# Altium PCB BaseBoard.PcbDoc (part 1 of 2) (continued)
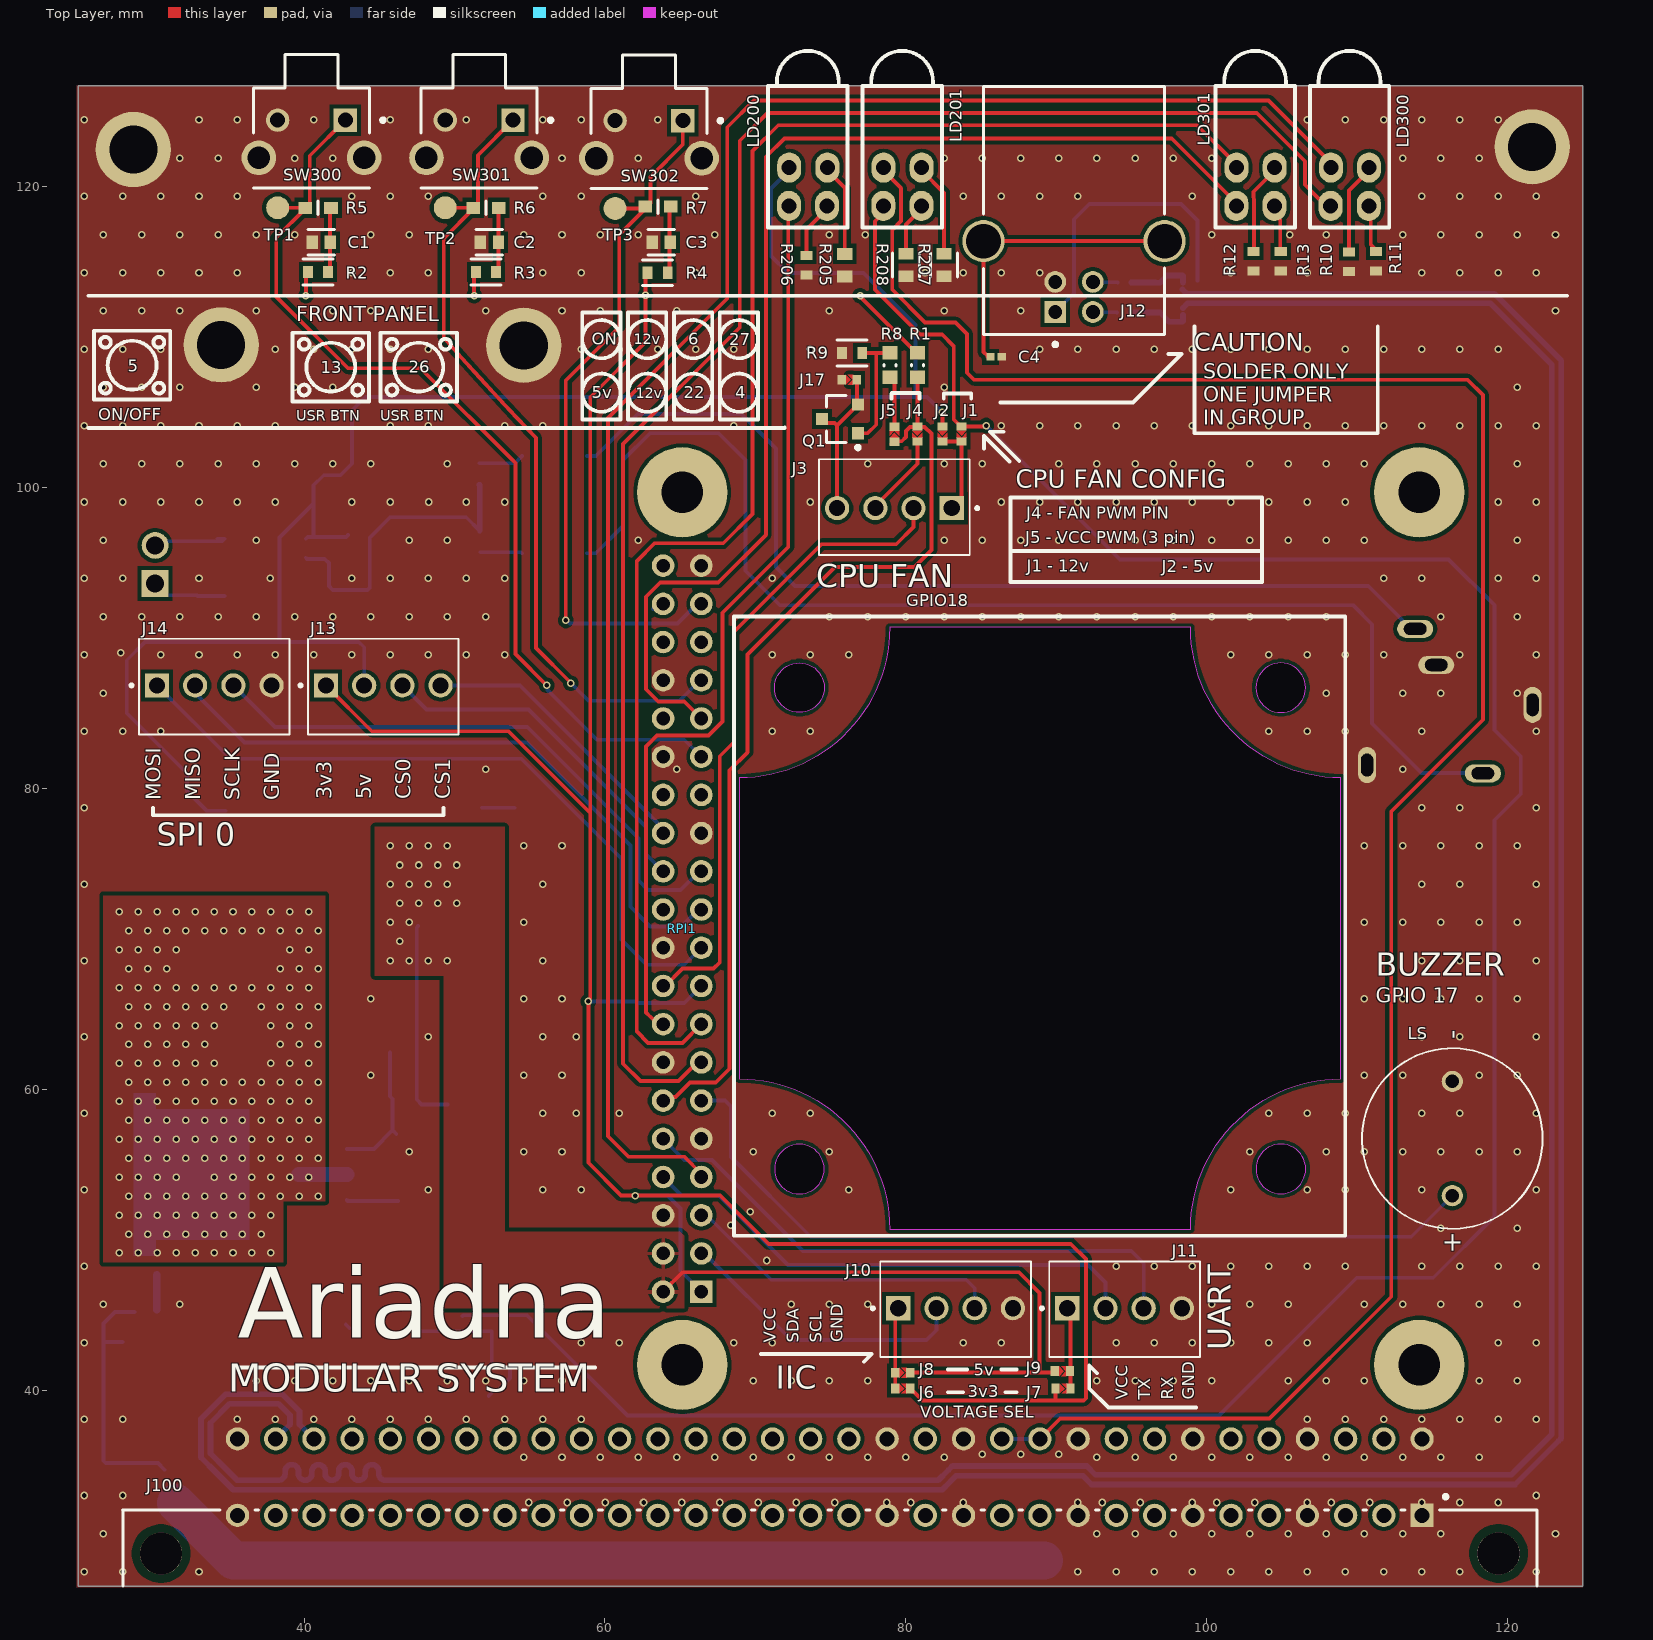
[diagram p0: Top Layer view]
## Footprints (in the part's own frame and the unit in brackets; to place one, negate y for a bottom-side part, rotate by r counter-clockwise, add the part's x,y. Pads: shape width x height; smd on the part's side, far side on the other; paste and mask are expansions set on the pad) (continued)
JUMPER [mm]
  rect 0.65x0.55 smd paste-2.54 mask-2.54: 1(0,-0.45) 2(0,0.55)
  Top Layer region: -0.325,-0.041 0,0.284 0.325,-0.041 0.325,0.318 -0.325,0.317
  Top Layer region: -0.325,-0.175 0.003,0.152 0.325,-0.175
LED_HOLDER [mm]
  oval 1.6x2 hole 1: 1(-1.219,-0.217) 2(1.317,-0.217) 3(-1.236,-2.757) 4(1.3,-2.757)
  silkscreen extent -2.62,-4.2 2.66,7.55, body extent -2.12,-3.07 2.2,7.66, height 9.65
MOLEX_22232041 [mm]
  rect 1.605x1.605 / inner round 1.605 / far side rect 1.605x1.605 hole 1.07 mask+0.05: 1(-3.81,0)
  round 1.605 hole 1.07 mask+0.05: 2(-1.27,0) 3(1.27,0) 4(3.81,0)
  silkscreen extent -5.6,-3.25 5,3.1
MOLEX_0022272021 [mm]
  rect 1.785x1.785 / inner round 1.785 / far side rect 1.785x1.785 hole 1.19: 1(1.27,0)
  round 1.785 hole 1.19: 2(-1.27,0)
  silkscreen extent -2.54,-2.9 3.35,2.9
NXP-SOT457_L [mm] "SOP, 6-Leads, Body 3.1x1.7mm, Pitch 0.95mm, IPC High Density"
  oval 1x0.45 smd: 1(-1.304,0.952) 2(-1.253,-0.013) 5(1.211,0.012) 6(1.211,0.952)
  oval 1.35x0.45 smd: 3(-1.075,-0.95) 4(1.075,-0.95)
  silkscreen extent -1.2,1.6 -0.95,1.85, body extent -0.85,-1.55 0.85,1.55, height 1.1
PNSC-EEE-FK1V331P_L [mm] "CAPAE, 2-Leads, Body 10.5x10.5mm, IPC High Density"
  rect 3.95x1.9 smd: 1(-4.5,0) 2(4.5,0)
  silkscreen extent -5.25,-5.25 5.25,5.25, body extent -6,-5.25 6,5.25, height 10.5
RESC0603(1608)_N [mm] "Chip Resistor, Body 1.6x0.8mm, IPC Medium Density"
  rect 0.9x1 smd: 1(-0.8,0) 2(0.8,0)
  silkscreen extent -0.05,-0.4 0.05,0.4, body extent -0.85,-0.47 0.85,0.47, height 0.6
RESC1005X40X25NL05T05 [mm] "Chip Resistor, 2-Leads, Body 1.00x0.50mm, IPC Medium Density"
  rect 0.55x0.55 smd: 1(-0.45,0) 2(0.45,0)
  body extent -0.53,-0.27 0.53,0.28, height 0.4
RESC1608X55X25LL10T15 [mm] "Chip Resistor, 2-Leads, Body 1.70x0.90mm, IPC High Density"
  rect 0.6x0.8 smd: 1(-0.65,0) 2(0.65,0)
  body extent -0.85,-0.45 0.85,0.45, height 0.55
RESC1608X55X25ML10T15 [mm] "Chip Resistor, 2-Leads, Body 1.70x0.90mm, IPC Low Density"
  rect 0.8x1 smd: 1(-0.75,0) 2(0.75,0)
  body extent -0.85,-0.45 0.85,0.45, height 0.55
RPI [mm]
  rect 1.5x1.5 hole 0.9: 1(24.13,1.27)
  round 1.5 hole 0.9: 2(24.13,-1.27) 3(21.59,1.27) 4(21.59,-1.27) 5(19.05,1.27) 6(19.05,-1.27) 7(16.51,1.27) 8(16.51,-1.27) 9(13.97,1.27) 10(13.97,-1.27) 11(11.43,1.27) 12(11.43,-1.27) 13(8.89,1.27) 14(8.89,-1.27) 15(6.35,1.27) 16(6.35,-1.27) 17(3.81,1.27) 18(3.81,-1.27) 19(1.27,1.27) 20(1.27,-1.27) 21(-1.27,1.27) 22(-1.27,-1.27) 23(-3.81,1.27) 24(-3.81,-1.27) 25(-6.35,1.27) 26(-6.35,-1.27) 27(-8.89,1.27) 28(-8.89,-1.27) 29(-11.43,1.27) 30(-11.43,-1.27) 31(-13.97,1.27) 32(-13.97,-1.27) 33(-16.51,1.27) 34(-16.51,-1.27) 35(-19.05,1.27) 36(-19.05,-1.27) 37(-21.59,1.27) 38(-21.59,-1.27) 39(-24.13,1.27) 40(-24.13,-1.27)
  body extent -25.52,-2.63 25.53,2.38, height 8.5
TestPoint [mil]
  round 60 smd: 1(0,0)

## Part data
C1 C2 C3 C8 C200 C204 C205: library part CMP-2006-03061-2, "CAP CER 0.1UF 50V X7R 0603", Capacitance="0.10 μF", Manufacturer=KEMET, Manufacturer Part Number=C0603C104K5RACTU, Package=C0603C-CF, Temperature="-55°C to +125°C", Temperature Characteristic=X7R, Temperature Coefficient=30ppm/°C, Temperature Range High=+125°C, Temperature Range Low=-55°C, Tolerance=0.1, Voltage Rating="50 V", Automotive=Yes, Automotive Grade="Grade 1", Category=Cap, ComponentLink2Description=Datasheet, ComponentLink2URL=https://api.kemet.com/component-edge/download/datasheet/C0603C100J5GACAUTO.pdf, Device Class L1="Passive Components", Device Class L2=Capacitors, Device Class L3="Ceramic Capacitors", Digikey Description="CAP CER 0.1UF 50V X7R 0603", Height=0.87mm, Lead Free=Yes, Material=Ceramic, Octopart=https://octopart.com/c0603c104k5ractu-kemet-139244, RoHS=TRUE
C4: library part CMP-001-00011-6, "Chip Capacitor, 10 pF, +/- 0.25 pF, 50 V, 0402 (1005 Metric)", Capacitor Type=Ceramic, Case/Package=0402, Max Operating Temperature=125°C, Min Operating Temperature=-55°C, Tolerance=0.25%, Voltage Rating=50V, Mounting Technology=SM, Pins=2, RoHS Compliant=True
C5 C6 C7: library part CMP-05427-000087-1, "CAP ALUM 10UF 20% 35V SMD", Case/Package=Radial, Leakage Current=3uA, Max Operating Temperature=85°C, Min Operating Temperature=-40°C, Package Quantity=1, Ripple Current=30mA, Tolerance=20%, Voltage=35V, Capacitance=10uF, Construction=Cylindrical, Contact Plating=Tin, Diameter=5mm, Height=5.4mm, Height - Seated (Max)=0.213inch, Lead Length=2.2mm, Lead Pitch=1.5mm, Length=5.5mm, Life (Hours)=2000Hour, Mount="Surface Mount", Number of Pins=2, Packaging="Tape and Reel", Radiation Hardening=No, REACH SVHC="No SVHC", Ripple Current (AC)=30mA, RoHS Compliant=Yes, Series=S, Termination=SMD/SMT, Voltage Rating=35V, Voltage Rating (DC)=35V, Width=5.3mm
C201 C202: library part CMP-2000-06212-1, "Aluminum Electrolytic Capacitor, 330 uF, 35 V, -55 to 105 degC, 2-Pin CAPAE, RoHS, Tape and Reel", Capacitance=330µF, Case Size/Dimension=Ø10x10.2mm, Lifetime@Temperature=2000Hrs@105°C, Manufacturer=Panasonic, Operating Temp Range=-55to+105°C, Operating Temp-Max=105°C, Package Description="2-Pin Capacitor Aluminum Electrolytic, Body 10.3 x 10.3 mm, Height 10.5 mm", Package Reference=EEE-FK1V331P, Rated Voltage=35V, Ripple Current=850mA, Datasheet URL=https://datasheet.ciiva.com/29313/443481-da-01-en-smd-elko-vfk-g-330-uf-35v-29313592.pdf, Datasheet Version=07/2008, Impedance=0.08O, Manufacturer URL=http://www.panasonic.com/, Mounting Technology=SurfaceMount, Series=FK, Type=Can
D200 D201: library part CMP-00278-84331622-1, "SS32 Rectifier Diode, Schottky, 1 Phase, 1 Element, 3A, 20V V(RRM), Silicon, DO-214AB", Average Rectified Current=3A, Case/Package=SMC, Forward Voltage=500mV, Manufacturer Lifecycle Status=ACTIVE, Max Forward Surge Current (Ifsm)=100A, Max Junction Temperature (Tj)=150°C, Max Power Dissipation=2.27W, Max Repetitive Reverse Voltage (Vrrm)=20V, Max Reverse Leakage Current=500µA, Min Operating Temperature=-55°C, Current Rating=3A, Element Configuration=Single, Forward Current=3A, Height=2.65mm, Lead Free="Lead Free", Length=7.15mm, Lifecycle Status=Production, Max Operating Temperature=150°C, Max Reverse Voltage (DC)=20V, Max Surge Current=100A, Mount="Surface Mount", NexarPartId=84331622, Number of Elements=1, Number of Pins=2, Number of Terminals=2, Output Current=3A, Packaging="Cut Tape", Peak Non-Repetitive Surge Current=100A, Peak Reverse Current=500µA, Polarity=Standard, Radiation Hardening=No, REACH SVHC="No SVHC", RoHS=Compliant, Schedule B="8541100080, 8541100080", Voltage Rating (DC)=20V, Weight=300mg, Width=6.25mm
D202 D203 D204: library part CMP-18399-000013-1, "LED GREEN DIFFUSED 0603 SMD", Colour=Green, Forward Current=20mA, Forward Voltage=2.1V, Manufacturer=Broadcom, Manufacturer Part Number=HSME-C191, Max Junction Temp=+95°C, Package=0, Power Dissipation=52mW, Reverse Voltage=5V, Temperature="-40°C to +85°C", Temperature Range High=+85°C, Temperature Range Low=-40°C, Automotive=No, Category=Diode, ComponentLink2Description=Datasheet, ComponentLink2URL=https://docs.broadcom.com/docs/AV02-0976EN, Device Class L1=Optoelectronics, Device Class L2=LEDs, Device Class L3=unset, Digikey Description="LED GREEN DIFFUSED 0603 SMD", Height=0.7mm, Lead Free=Yes, Led Orientation="Top View", Luminous Intensity=50mcd, Mouser Description="Standard LEDs - SMD AlInGaP Green", Octopart=https://octopart.com/hsme-c191-broadcom-71131261, Peak Emmision Wavelength=570nm, RoHS=TRUE, Viewing Angle=170°, Wavelength=572nm
F200: library part CMP-08605-000093-1, Case Code (Imperial)=1206, Case Code (Metric)=3216, Current Rating=750mA, DC Cold Resistance=111mR, Max Operating Temperature=90°C, Min Operating Temperature=-55°C, Package Quantity=5000, Resistance=220mR, Voltage Rating=63V, Approvals=UL, Body Material=Thermoplastic, Case/Package=1206, Depth=1.52mm, Fuse Current=750mA, Fuse Type="Board Mount (Cartridge Style Excluded)", Height=0.023inch, Lead Free="Lead Free", Length=3.18mm, Mount="Surface Mount", Number of Pins=2, Packaging="Tape and Reel", Radiation Hardening=No, RoHS Compliant=Yes, Series=466, Termination=SMD/SMT, Voltage Rating (AC)=63V, Voltage Rating (DC)=63V, Width=0.06inch, Working Voltage=63V
J1 J2 J4 J5 J6 J7 J8 J9 J17: library part CMP-009-00061-2, Pins=2
J3 J10 J11 J13 J14: "Conn Wire to Board HDR 4 POS 2.54mm Solder ST Top Entry Thru-Hole KKÂ® Bag", Package=None, Check_prices=https://www.snapeda.com/parts/22232041/Molex/view-part/?ref=eda, MF=Molex, MP=22232041, SnapEDA_Link=https://www.snapeda.com/parts/22232041/Molex/view-part/?ref=snap
J12: library part CMP-2000-05874-1, "Connector Receptacle, USB Type B, Right Angle, -20 to 85 degC, 4-Pin THD, RoHS, Tray", Manufacturer="ASSMANN WSW", Package Description="4-Pin Through Hole Device, Body 16.5 x 12.04 mm", Package Reference=USBSB, Body Orientation=RightAngle, CAD Drawing=3DCADModel, Datasheet URL=https://datasheet.ciiva.com/11731/0900766b80da421f-11731321.pdf, Datasheet Version=12/2009, Gender=Female, Manufacturer URL=http://www.assmann.us/, Mounting Technology=ThroughHole, Mounting Type=ThroughHole, Number of Ports=1, Termination Method=Solder
J100: library part CMP-33111-000001-1, "CONN DIN HDR 96POS PCB RA", Current Rating=2A, Manufacturer=Harting, Package=0, Temperature="-55°C to +125°C", Temperature Range High=+125°C, Temperature Range Low=-55°C, Automotive=No, Category=Conn, ComponentLink2Description=Datasheet, ComponentLink2URL=https://b2b.harting.com/files/download/PRD/PDF_DS/09031200203_100580339DRW000B.pdf, Conn Gender=Male, Conn Orientation="Right Angle", Contact Material=Gold,Nickel, Device Class L1=Connectors, Device Class L2="Backplane Connectors", Device Class L3=unset, Digikey Description="CONN DIN HDR 96POS PCB RA", Footprint Url=https://b2b.harting.com/files/download/PRD/PDF_TS/0903164X921_100072506DRW176A.pdf, Height=11mm, Lead Free=Yes, Manufacturer Part Number="09 03 164 6921", Mouser Description="Conn DIN 41612 M 64 POS 2.54mm Solder RA Thru-Hole Box", Number of Contacts=64, Number of Rows=2, Octopart=https://octopart.com/09031646921-harting+elektronik-42933, Pitch=2.54mm, RoHS=TRUE
L200: library part DE1207-22, "Inductor: wire; 22uH; 4.7A; 0.036Î©; SMD; 12x12x8mm; Â±20", Package=None, Check_prices=https://www.snapeda.com/parts/DE1207-22/FerroCore/view-part/?ref=eda, MF=FerroCore, MP=DE1207-22, SnapEDA_Link=https://www.snapeda.com/parts/DE1207-22/FerroCore/view-part/?ref=snap
LD200 LD201 LD300 LD301: library part DoubleStack_Side_Led_3mm
LS: "12 mm, 5 V, 85 dB, Through Hole, Sealed, Driving Circuit, Magnetic Audio Indicator Buzzer", Package="TO-220 CUI Inc.", Availability=Unavailable, CUI_purchase_URL=https://www.cuidevices.com/product/audio/buzzers/audio-indicators/cem-1205c?utm_source=snapeda.com&utm_medium=referral&utm_campaign=snapedaBOM, MF="CUI Devices", MP=CEM-1205C, Price=None, SnapEDA_Link=https://www.snapeda.com/parts/CEM-1205C/CUI%20Devices/view-part/2769846/?ref=snap
P1: "Connector Header Through Hole 2 position 0.100 (2.54mm)", Package=None, Check_prices=https://www.snapeda.com/parts/0022272021/Molex/view-part/?ref=eda, MF=Molex, MP=0022272021, SnapEDA_Link=https://www.snapeda.com/parts/0022272021/Molex/view-part/?ref=snap
Q1: library part CMP-83955-000006-1, "MOSFET N-CH 30V 5.7A SOT23", Case/Package=SOT-23, Continuous Drain Current (ID)=5.7A, Drain to Source Voltage (Vdss)=30V, Gate to Source Voltage (Vgs)=12V, Input Capacitance=630pF, Max Operating Temperature=150°C, Max Power Dissipation=1.4W, Min Operating Temperature=-55°C, Lead Free="Lead Free", Mount="Surface Mount", Number of Elements=1, Number of Pins=3, Packaging="Tape and Reel", Power Dissipation=1.4W, Radiation Hardening=No, Rds On Max=26.5mR
R1: library part CMP-1012-00081-1, "0.1W 1% 0603 (1608 Metric)  SMD", Case-EIA=0603, Case-Metric=1608, Power="0.1 W", Tolerance="5 %", Technology=SMT
R2 R3 R4 R9 R200: library part CMP-2100-03664-2, "RES 10K OHM 1% 1/10W 0603", Case Code (Imperial)=0603, Case Code (Metric)=1608, Max Operating Temperature=155°C, Max Power Dissipation=100mW, Min Operating Temperature=-55°C, Resistance=10kR, Resistance Tolerance=1%, Resistor Type="Thick Film", Temperature Coefficient=100ppm/°C, Voltage Rating=75V, Voltage Rating (DC)=50V, Case/Package=0603, Construction=Rectangular, Depth=0.8mm, Features="Moisture Resistant", Height=0.45mm, Lead Free="Lead Free", Lead Pitch=0.3mm, Length=1.6mm, Military Standard=Not, Number of Pins=2, Number of Terminations=2, Packaging="Tape and Reel", Power Rating=100mW, RoHS Compliant=Yes, Series=RC, Size Code=0603, Termination=SMD/SMT, Tolerance=1%, Weight=7.1E-05oz, Width=0.8mm
R5 R6 R7: library part CMP-2100-03663-2, Case Code (Imperial)=0603, Max Operating Temperature=155°C, Min Operating Temperature=-55°C, Power Rating=100mW, Resistance=100Ω, Temperature Coefficient=100ppm/°C, Tolerance=1%, Voltage Rating=50V, Case Code (Metric)=0603, Case/Package=0603, Composition="Thick Film", Depth=800µm, Height=450µm, Lead Free="Lead Free", Length=1.6mm, Military Standard=Not, NexarPartId=55402879, Number of Pins=2, Packaging="Tape & Reel", REACH SVHC=Unknown, RoHS=Compliant, Schedule B="8533210045, 8533210045", Termination=SMD/SMT, Voltage Rating (DC)=50V, Width=800µm
R8: library part CMP-1012-00081-1, "0.1W 5% 0603 (1608 Metric)  SMD", Case-EIA=0603, Case-Metric=1608, Power="0.1 W", Tolerance="5 %", Technology=SMT
R10 R11 R12 R13 R206: library part CMP-1659-00035-2, "General Purpose Chip Resistor, 470 Ohm, +/- 1%, -55 to 155 degC, 0603 (1608 Metric), RoHS, Tape and Reel", Max Operating Temperature="90 degC", Min Operating Temperature="-40 degC", Package Quantity=2500, Resistance="470 Ohm", ComponentLink1Description="Manufacturer URL", ComponentLink1URL=http://www.yageo.com/, ComponentLink2Description=Datasheet, ComponentLink2URL=https://datasheet.ciiva.com/11808/0900766b80f96399-11808177.pdf, Contact Material=Brass, Contact Plating=Gold, DatasheetVersion="Rev. 4, 04/2009", Fastening Type=Snap, Height="1.25 mm", Length="3 mm", Mount="Surface Mount", PackageDescription="2-Pin Surface Mount Device, Body 1.6 x 0.8 mm", PackageReference=0603, Packaging="Tape and Reel", Radiation Hardening=No, RoHSCompliant=true, Width="3.1 mm"
R14 R15: library part CMP-2000-00873-2, "RES SMD 1K OHM 0.1% 1/10W 0603", Case Code (Imperial)=0603, Case Code (Metric)=1608, Max Operating Temperature=155°C, Max Power Dissipation=100mW, Min Operating Temperature=-55°C, Package Quantity=5000, Resistance=1kR, Resistance Tolerance=0.1%, Resistor Type="Thin Film", Temperature Coefficient=25ppm/°C, Voltage Rating=75V, Case/Package=0603, Construction=Rectangular, Contact Plating=Tin, Depth=0.8mm, Height=0.45mm, Length=1.6mm, Military Standard=Not, Mount="Surface Mount", Number of Pins=2, Number of Terminations=2, Packaging="Tape and Reel", Power Rating=100mW, Radiation Hardening=No, REACH SVHC="No SVHC", RoHS Compliant=Yes, Series=ERA-3A, Size Code=0603, Technology="METAL FILM", Termination=SMD/SMT, Tolerance=0.1%, Width=0.8mm
R201: library part CMP-1012-00567-3, Case Code (Imperial)=0603, Max Operating Temperature=155°C, Max Power Dissipation=100mW, Min Operating Temperature=-55°C, Resistance=3.3kΩ, Temperature Coefficient=100ppm/°C, Tolerance=1%, Voltage Rating=50V, Case Code (Metric)=0603, Case/Package=0603, Composition="Thick Film", Depth=800µm, Features="Moisture Resistant", Height=450µm, Lead Free="Lead Free", Length=1.6mm, Military Standard=Not, Mount="Surface Mount", NexarPartId=40011875, Number of Pins=2, Number of Terminations=2, Packaging="Tape & Reel", Power Rating=100mW, REACH SVHC="No SVHC", RoHS=Compliant, Schedule B="8533210045, 8533210045", Termination=SMD/SMT, Voltage Rating (AC)=50V, Voltage Rating (DC)=50V, Width=800µm
R202 R203 R204 R207 R208: library part CMP-2000-03529-2, "RES Thick Film, 680Ω, 1%, 0.1W, 100ppm/°C, 0603", Case Code (Imperial)=0603, Case Code (Metric)=1608, Max Operating Temperature=155°C, Max Power Dissipation=100mW, Min Operating Temperature=-55°C, Package Quantity=10, Temperature Coefficient=100ppm/°C, Tolerance=1%, Voltage Rating=75V, Case/Package=0603, Composition="Thick Film", Contact Plating=Tin, Depth=0.85mm, Features="Automotive AEC-Q200", Height=0.45mm, Lead Free="Lead Free", Length=1.55mm, Military Standard=Not, Number of Pins=2, Number of Terminations=2, Packaging="Tape and Reel", Power Rating=100mW, Radiation Hardening=No, Resistance=680R, Termination=SMD/SMT, Voltage Rating (DC)=75V, Weight=7.1E-05oz, Width=0.85mm, Working Voltage=75V
R205: library part CMP-1659-00018-2, "General Purpose Chip Resistors, 220 Ohm, +/- 1%, -55 to 155 degC, 0603 (1608 Metric), RoHS, Tape and Reel", ComponentLink1Description="Manufacturer URL", ComponentLink1URL=http://www.yageo.com/, ComponentLink2Description=Datasheet, ComponentLink2URL=https://datasheet.ciiva.com/11808/0900766b80f96399-11808136.pdf, DatasheetVersion="Rev. 4, 04/2009", PackageDescription="2-Pin Surface Mount Device, Body 1.6 x 0.8 mm", PackageReference=0603, RoHSCompliant=false
Rb1 Rb2: library part CMP-2002-08143-1, Manufacturer="Vishay Dale", Part Number=CRCW040210R0FKED
RPI1: library part "rpi connector", "GPIO Header for Raspberry Pi A+/B+/Pi 2/Pi 3 - 2x20", Manufacturer="SparkFun Electronics", Manufacturer Part Number=PRT-14017, Supplier Part Number 1=1568-1462-ND, Accessory Type=Connector, Category="Development Boards, Kits, Programmers", ComponentLink1Description=https://cdn.sparkfun.com/datasheets/Dev/RaspberryPi/12313.pdf, ComponentLink1URL=https://cdn.sparkfun.com/datasheets/Dev/RaspberryPi/12313.pdf, For Use With/Related Products="Raspberry Pi", Nils Minor=author, nilsminor@web.de=mail, Part Status=Active, Pricing 1="1=1.84 (EUR)", RoHS="RoHS Compliant", Stock 1=150, Supplier 1=Digi-Key
SW300 SW301 SW302: library part CMP-08834-000053-1, "SWITCH TACTILE SPST-NO 0.05A 24V", Actuator Color=Grey, Contact Current Rating=50mA, Contact Resistance=100mR, Max Operating Temperature=70°C, Max Voltage Rating (DC)=24V, Min Operating Temperature=-25°C, Operating Force=1.47N, Package Quantity=1000, Ratings=IP00, Actuator Length=1.6mm, Actuator Type=Standard, Contact Material=Gold, Contact Plating=Gold, Current Rating=50mA, Depth=7.85mm, Electrical Life=300000Cycles, Height=7.4mm, Illumination Type=Non-Illuminated, Lead Free="Lead Free", Length=7.3mm, Max Current Rating=50mA, Mechanical Life=300000Cycles, Mount="Through Hole", Number of Poles=1, Orientation="Right Angle", Packaging=Bulk, Radiation Hardening=No, RoHS Compliant=Yes, Series=B3F, Switch Function=Off-Mom, Switch Travel=0.25mm, Termination="PC Pins", Throw Configuration=SPST, Voltage Rating (DC)=24V, Weight=0.25g, Width=6.25mm
TP4 TP6 TP200 TP201 TP203 TP204: library part TestPoint
U1: library part CMP-2000-06457-1, "Dual USB 2.0 integrated ESD protection, 0 to 5.5 V, -40 to 85 degC, 6-Pin TSOP (SOT457), RoHS, Tape and Reel", Capacitance Value=1.2pF, ESD Protection Voltage=8KV@ContactDisc, Leakage Current=0.1uA, Manufacturer="NXP Semiconductors", Operating Temperature Max Deg. C=85C, Operating Temperature Min Deg. C=-40C, Package / Case=TSOP, Package Description="6-Pin Thin Small Outline Package, Body 2.9 x 1.5 mm, Pitch 0.95 mm", Package Reference=SOT457, Package Version="06-03-16, 03/2006", PartNumber=IP4220CZ6, Working Voltage=5.5V, Configuration=Quad, Datasheet URL=http://cache.nxp.com/documents/data_sheet/IP4220CZ6.pdf, Datasheet Version="Rev. 5, 07/2011", Direction Type=Uni-Directional, Leakage Current (Max)=0.1uA, Manufacturer URL=http://www.nxp.com/, Mounting Style=SurfaceMount, Mounting Technology=SurfaceMount, Number of Channels=4, Package URL=http://www.nxp.com/documents/outline_drawing/sot457_po.pdf, Packaging=TapeandReel, Pin Count=6, Product Depth (mm)=1.7mm, Product Height (mm)=1mm, Product Length (mm)=3.1mm, Rad Hardened=No, Suppressor Type=DiodeArrays, VF=0.7V, VIN Max=5.5V, VIN Min=0V, Working Voltage (Max)=5.5V
U2: "1 W BTL mono audio amplifier with DC volume control", Package=None, Availability=Unavailable, MP=TDA7052AT/N2,118, Price=None
U200: "5A 180KHz 36V Buck DC to DC Converter", Package=None, Availability=Unavailable, MP=XL4015, Price=None
X: "1503 - Lumberg 3.5mm Right Angle Jack Chassis Socket", Package=None, Availability=Unavailable, MF=NEC, MP="1503 09", Price=None, SnapEDA_Link=https://www.snapeda.com/parts/1503%2009/NEC/view-part/4795369/?ref=snap, Toby_UK-Purchase-URL=https://snapeda.com/shop?store=Toby+UK&id=4795369

## Free pads (board coordinates)
  round 5 hole 3.2: 7(28.656,122.49) 7(34.493,109.499) 7(54.61,109.474) 7(121.64,122.667)
  round 6 hole 2.75: ""(65.14,41.7) ""(65.14,99.7) ""(114.14,41.7) ""(114.14,99.7)

## Via types
v1: diameter 0.5, hole 0.3, Top Layer to Bottom Layer, tented both sides, 782 vias

## Nets (pads, with @x,y where several pads share a name; then routed paths per layer and width w, separated by ;. In a path a pad name is that pad's centre, name@x,y a point inside that pad or via, vN(x,y) a via of type N, cw(c..) or ccw(c..) an arc to the next point about the centre after c; other vN are vias at no path point)
3,3V: J6.2 J7.1 J13.1 R1.2 R2.2 R3.1 R4.2 RPI1.1 RPI1.17 | length 202.5
  Top Layer w0.254: v1(40.132,112.776) R2.2@40.132,114.35 ; J13.1@41.46,86.868 44.508,83.82 53.594,83.82 58.928,78.486 59.028,78.586 ; R3.1@51.299,114.35 51.299,112.785 v1(51.308,112.776) ; v1(58.903,65.862) 58.903,55.143 61.08,52.966 62.006,52.966 67.669,52.966 70.889,49.746 90.97,49.746 91.982,48.734 91.982,39.481 91.833,39.332 89.954,39.332 ; v1@58.903,65.929 59.028,66.054 59.028,78.586 ; R4.2@62.7,114.3 v1(62.7,112.814) 62.7,109.69 59.028,106.018 59.028,78.586 ; v1(76.962,112.776) 76.962,112.726 80.722,108.966 R1.2@80.772,108.966 ; J6.2@80.306,40.132 80.306,40.082 80.454,39.934 80.504,39.934 81.106,39.332 89.954,39.332 ; J7.1@89.954,40.132 89.954,39.332
  Bottom Layer w0.254: v1(40.132,112.776) v1(51.308,112.776) v1(76.962,112.776) ; v1(58.903,65.862) 62.072,65.862 62.176,65.759 65.279,65.759 RPI1.17@66.41,66.89 ; v1@62.018,52.962 64.158,52.962 65.024,52.095 65.024,47.956 RPI1.1@66.41,46.57
  other v1: 62.006,52.949
5v: C7.2 C8.1 C202.1 C205.1 D204.2 J2.1 J8.2 J9.1 J13.2 L200.2 LD201.1 R200.2 RPI1.2 RPI1.4 TP203.1 U2.1 | length 174.1
  Top Layer w0.254: RPI1.2@63.87,46.57 65.161,47.861 87.521,47.861 88.9,46.482 88.9,41.186 ; J8.2@80.306,41.186 88.9,41.186 ; J2.1@82.441,104.082 v1(82.441,105.011) ; J9.1@89.954,41.186 88.9,41.186
  Bottom Layer w0.254: L200.2@34.798,78.531 33.548,78.531 32.225,79.854 32.225,81.028 28.219,85.034 28.219,88.544 29.439,89.764 43.637,89.764 44,89.401 J13.2@44,86.868 ; 38.379,89.764 38.379,96.71 C7.2@40.64,98.97 ; U2.1@40.122,96.621 40.244,96.743 U2.1@40.589,96.743 ; C8.1@42.926,96.866 42.804,96.743 U2.1@40.589,96.743 ; 47.57,70.866 47.491,70.787 47.491,59.386 47.491,59.343 47.814,59.02 C205.1@49.53,59.02 ; LD201.1@72.251,121.286 72.251,121.086 71.054,119.888 71.054,115.408 72.187,114.275 77.191,114.275 80.645,110.82 80.645,106.045 ; v1(82.441,105.011) 81.407,106.045 80.645,106.045 ; U2.1@40.589,96.743 40.64,96.794 C7.2@40.64,98.97 ; C7.2@40.64,98.97 C7.2@40.64,99.57 40.64,100.17 41.313,100.843 42.423,100.843 43.18,101.6 43.18,105.156 44.069,106.045 80.645,106.045
  other v1: 45.72,68.58 46.99,68.58 48.26,68.58 49.53,68.58 46.355,69.85 45.72,71.12 46.99,71.12 46.355,72.39 47.625,72.39 48.895,72.39 50.165,72.39 45.72,73.66 46.99,73.66 48.26,73.66 49.53,73.66 46.355,74.93 47.625,74.93 48.895,74.93 50.165,74.93 45.72,76.2 46.99,76.2 48.26,76.2 49.53,76.2
12V_FUSED: D200.2 F200.2
12V_UNPROTECTED: D202.2 F200.1 J100.A11 J100.A12 J100.C11 J100.C12 LD200.1 TP200.1 | length 221.3
  Top Layer w0.254: LD200.1@78.524,121.286 78.524,121.086 79.688,119.922 79.688,117.73 79.099,117.141 79.099,113.179 81.28,110.998 83.312,110.998 84.074,110.236 84.074,107.655 84.541,107.188 117.348,107.188 118.364,106.172 118.364,84.582 112.268,78.486 112.268,46.228 104.174,38.134 90.274,38.134 J100.C11@88.92,36.78
  Bottom Layer w0.254: TP200.1@27.94,43.219 26.709,43.219 26.67,43.18 ; D202.2@28.738,45.212 27.432,45.212 26.67,44.45 26.67,43.18 ; F200.1@30.734,34.734 30.29,35.179 26.819,35.179 26.67,35.328 26.67,43.18 ; LD200.1@78.524,121.286 LD200.1@78.524,121.474 ; J100.C12@86.38,36.78 J100.C11@88.92,36.78
  Bottom Layer w2.54: 31.496,32.512 35.306,28.702 89.194,28.702
24V_UNPROTECTED: J100.A14 J100.C14
+12: C200.1 C201.1 C204.1 D200.1 D203.2 J1.1 LD200.3 TP201.1 U200.5 | length 185.2
  Top Layer w0.254: LD200.3@78.507,118.746 78.507,118.279 77.953,117.724 77.953,113.182 80.95,110.185 82.423,110.185 83.185,109.423 83.185,104.558 83.661,104.082 85.286,104.082 v1(85.344,104.14)
  Bottom Layer w0.254: D200.1@42.775,44.39 D200.1@43.029,44.136 ; TP201.1@47.498,43.942 C204.1@52.486,43.942 52.486,41.806 D203.2@52.336,41.656 ; 50.546,44.958 50.586,44.998 54.824,44.998 61.494,38.328 64.891,38.328 ccw(c65.14,41.7) 65.389,38.328 100.812,38.328 109.982,47.498 115.062,47.498 119.126,51.562 119.126,77.902 120.879,79.654 120.879,82.144 119.126,83.896 119.126,92.202 116.084,95.244 94.24,95.244 v1(85.344,104.14)
Buzzer: LS.P RPI1.11 | length 56.8
  Bottom Layer w0.254: RPI1.11@66.41,59.27 67.984,59.27 68.373,58.881 68.373,55.529 73.685,50.217 113.601,50.217 LS.P@116.332,52.948
CAN1_N: J100.C3
CAN1_P: J100.C2
CAN2_N: J100.C6
CAN2_P: J100.C5
CAN3_N: J100.C9
CAN3_P: J100.C8
CARRIER_USB_OUT_N: J100.C31 Rb1.2 TP4.1 U1.3 | length 208.6
  Bottom Layer w0.381: J100.C31@38.12,36.78 39.072,37.733 39.072,38.354 38.31,39.116 35.052,39.116 33.782,37.846 33.782,35.814 34.798,34.798 35.56,34.036 36.779,34.036 38.3,34.036 ccw(c38.3,34.48) 38.745,34.48 38.745,34.627 cw(c39.189,34.627) 39.634,34.627 39.634,34.48 ccw(c40.078,34.48) 40.523,34.48 40.523,34.627 cw(c40.967,34.627) 41.412,34.627 41.412,34.48 ccw(c41.856,34.48) 42.301,34.48 42.301,34.627 cw(c42.745,34.627) 43.19,34.627 43.19,34.48 ccw(c43.634,34.48) 44.079,34.48 44.079,34.627 cw(c44.523,34.627) 44.968,34.627 44.968,34.48 ccw(c45.412,34.48) 45.412,34.036 46.492,34.036 82.16,34.036 82.846,34.722 83.032,34.908 83.1,34.976 92.033,34.976 92.617,34.392 120.244,34.392 120.65,34.798 122.936,37.084 122.936,108.204 118.872,112.268 100.849,112.268 100.848,112.267 98.872,112.267 98.871,112.268 98.73,112.268 U1.3@98.425,111.963 ; Rb1.2@94.937,111.659 96.894,111.659 97.52,111.033 98.386,111.033 98.428,111.075 U1.3@98.428,111.506
CARRIER_USB_OUT_P: J100.C30 Rb2.2 TP6.1 U1.4 | length 208.6
  Bottom Layer w0.381: J100.C30@40.66,36.78 39.707,37.733 39.707,38.617 38.574,39.751 34.789,39.751 33.333,38.295 33.147,38.109 33.147,35.551 34.163,34.535 35.297,33.401 82.423,33.401 82.609,33.587 83.295,34.273 83.363,34.341 91.77,34.341 92.354,33.757 120.507,33.757 123.385,36.635 123.571,36.821 123.571,108.467 123.385,108.653 119.321,112.717 119.135,112.903 100.586,112.903 100.585,112.902 99.135,112.902 99.134,112.903 98.679,112.903 U1.4@98.4,113.182 ; Rb2.2@94.998,113.646 TP6.1@96.579,113.646 ; TP6.1@96.585,113.64 96.894,113.64 97.373,114.119 98.396,114.119 98.428,114.087 U1.4@98.428,113.656
DCDC_FB: R200.1 R201.2 TP204.1 U200.2 | length 9.2
  Bottom Layer w0.254: U200.2@42.847,56.056 44.643,56.056 R201.2@45.891,57.304 ; TP204.1@45.72,62.484 45.72,59.558 45.891,59.386 45.891,57.354 R201.2@45.891,57.304 ; R201.2@46.136,57.06 R201.2@45.891,57.304
"FAN PWM": J4.1 J5.1 R1.1 RPI1.12 | length 63
  Top Layer w0.254: RPI1.12@63.87,59.27 64.108,59.508 64.691,59.508 65.656,60.474 67.37,60.474 68.281,61.385 68.281,81.23 69.47,82.42 69.47,88.916 75.296,94.742 80.584,94.742 81.702,95.859 81.702,103.607 81.255,104.054 80.8,104.054 J4.1@80.772,104.082 ; J5.1@79.05,102.917 79.198,103.065 J5.1@79.248,103.065 ; J5.1@79.276,103.093 79.731,103.093 80.01,103.372 80.01,103.775 80.289,104.054 80.744,104.054 J4.1@80.772,104.082 ; R1.1@80.822,107.366 R1.1@80.772,107.366 J4.1@80.772,104.082
"FAN TACHO": J3.2 RPI1.18 | length 42.9
  Top Layer w0.254: RPI1.18@63.87,66.89 64.011,66.89 65.166,68.045 67.22,68.045 67.634,68.46 67.634,82.157 68.565,83.088 68.565,90.409 74.405,96.249 79.37,96.249 80.518,97.397 J3.2@80.518,98.651